# Altium PCB Push-Pull_Inverter.PcbDoc (part 2 of 2)
Units mm, origin at the board's own origin, x right, y up, seen from the top; angles counter-clockwise.
Board outline 400.26 x 240.24 mm, 2 copper layers (Top Layer, Bottom Layer), stack 2.071 mm thick; 224 components, 92 nets, 513 pads, 291 vias.
Unrouted connection lines stored in the file: 106.
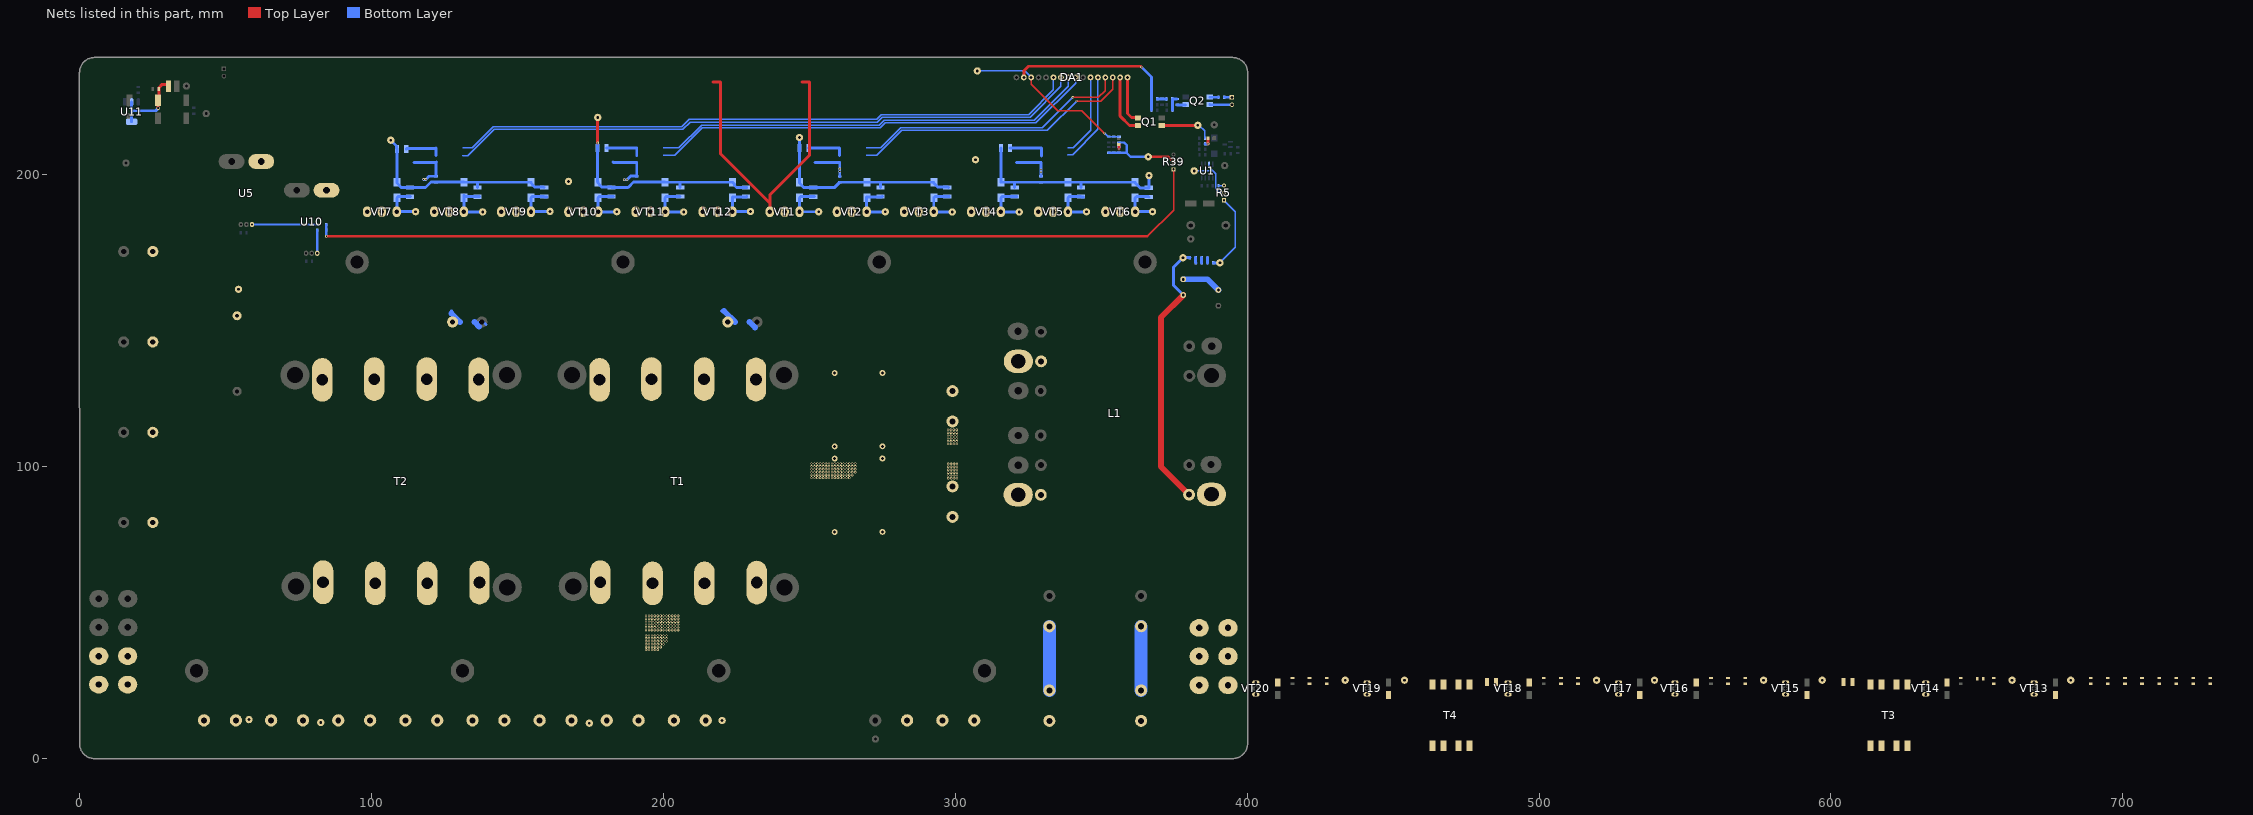
[diagram p2: the nets of this part, all layers, seen from the top]

## Via types
v1: diameter 0.8, hole 0.4, Top Layer to Bottom Layer, 279 vias
v2: diameter 1.27, hole 0.711, Top Layer to Bottom Layer, 12 vias

## Nets (pads, with @x,y where several pads share a name; then routed paths per layer and width w, separated by ;. In a path a pad name is that pad's centre, name@x,y a point inside that pad or via, vN(x,y) a via of type N, cw(c..) or ccw(c..) an arc to the next point about the centre after c; other vN are vias at no path point) (continued)
NetC6_1: C6.1 C7.2 C12.1 C14.2 C16.1 C22.2 J2.1 T1.6 T1.7 T2.6 T2.7
  other v1: 194.025,37.175 195.025,37.175 196.025,37.175 197.025,37.175 198,37.175 194.022,38.097 195.022,38.097 196.022,38.097 197.022,38.097 197.997,38.097 198.997,38.097 194.022,39.097 195.022,39.097 196.022,39.097 197.022,39.097 197.997,39.097 198.997,39.097 199.997,39.097 194.022,40.097 195.022,40.097 196.022,40.097 197.022,40.097 197.997,40.097 198.997,40.097 199.997,40.097 200.997,40.097 194.022,41.097 195.022,41.097 196.022,41.097 197.022,41.097 197.997,41.097 198.997,41.097 199.997,41.097 200.997,41.097 194.022,42.097 195.022,42.097 196.022,42.097 197.022,42.097 197.997,42.097 198.997,42.097 199.997,42.097 200.997,42.097 198,43.9 199,43.9 200,43.9 201,43.9 202,43.9 203,43.9 204,43.9 205,43.9 194,43.925 195,43.925 196,43.925 197,43.925 197.997,44.822 198.997,44.822 199.997,44.822 200.997,44.822 201.997,44.822 202.997,44.822 203.997,44.822 204.997,44.822 193.997,44.847 194.997,44.847 195.997,44.847 196.997,44.847 197.997,45.822 198.997,45.822 199.997,45.822 200.997,45.822 201.997,45.822 202.997,45.822 203.997,45.822 204.997,45.822 193.997,45.847 194.997,45.847 195.997,45.847 196.997,45.847 197.997,46.822 198.997,46.822 199.997,46.822 200.997,46.822 201.997,46.822 202.997,46.822 203.997,46.822 204.997,46.822 193.997,46.847 194.997,46.847 195.997,46.847 196.997,46.847 197.997,47.822 198.997,47.822 199.997,47.822 200.997,47.822 201.997,47.822 202.997,47.822 203.997,47.822 204.997,47.822 193.997,47.847 194.997,47.847 195.997,47.847 196.997,47.847 197.997,48.822 198.997,48.822 199.997,48.822 200.997,48.822 201.997,48.822 202.997,48.822 203.997,48.822 204.997,48.822 193.997,48.847 194.997,48.847 195.997,48.847 196.997,48.847 297.557,95.948 298.557,95.948 299.557,95.948 300.557,95.948 250.703,96.103 251.703,96.103 252.703,96.103 253.703,96.103 254.703,96.103 255.703,96.103 256.703,96.103 257.703,96.103 258.678,96.103 259.678,96.103 260.678,96.103 261.678,96.103 262.678,96.103 263.678,96.103 297.554,96.87 298.554,96.87 299.554,96.87 300.554,96.87 250.7,97.025 251.7,97.025 252.7,97.025 253.7,97.025 254.7,97.025 255.7,97.025 256.7,97.025 257.7,97.025 258.675,97.025 259.675,97.025 260.675,97.025 261.675,97.025 262.675,97.025 263.675,97.025 264.675,97.025 297.554,97.87 298.554,97.87 299.554,97.87 300.554,97.87 250.7,98.025 251.7,98.025 252.7,98.025 253.7,98.025 254.7,98.025 255.7,98.025 256.7,98.025 257.7,98.025 258.675,98.025 259.675,98.025 260.675,98.025 261.675,98.025 262.675,98.025 263.675,98.025 264.675,98.025 265.675,98.025 297.554,98.87 298.554,98.87 299.554,98.87 300.554,98.87 250.7,99.025 251.7,99.025 252.7,99.025 253.7,99.025 254.7,99.025 255.7,99.025 256.7,99.025 257.7,99.025 258.675,99.025 259.675,99.025 260.675,99.025 261.675,99.025 262.675,99.025 263.675,99.025 264.675,99.025 265.675,99.025 297.554,99.87 298.554,99.87 299.554,99.87 300.554,99.87 250.7,100.025 251.7,100.025 252.7,100.025 253.7,100.025 254.7,100.025 255.7,100.025 256.7,100.025 257.7,100.025 258.675,100.025 259.675,100.025 260.675,100.025 261.675,100.025 262.675,100.025 263.675,100.025 264.675,100.025 265.675,100.025 297.554,100.87 298.554,100.87 299.554,100.87 300.554,100.87 250.7,101.025 251.7,101.025 252.7,101.025 253.7,101.025 254.7,101.025 255.7,101.025 256.7,101.025 257.7,101.025 258.675,101.025 259.675,101.025 260.675,101.025 261.675,101.025 262.675,101.025 263.675,101.025 264.675,101.025 265.675,101.025 297.457,107.673 298.457,107.673 299.457,107.673 300.457,107.673 297.454,108.595 298.454,108.595 299.454,108.595 300.454,108.595 297.454,109.595 298.454,109.595 299.454,109.595 300.454,109.595 297.454,110.595 298.454,110.595 299.454,110.595 300.454,110.595 297.454,111.595 298.454,111.595 299.454,111.595 300.454,111.595 297.454,112.595 298.454,112.595 299.454,112.595 300.454,112.595
NetC6_2: C6.2 C7.1 C16.2 L1.8 VD2.1 VD6.1 VD9.1 VD12.1
NetC8_2: C8.2 C10.1 | length 22
  Bottom Layer w4.5: C8.2@332.211,23.246 C10.1@332.211,45.212
NetC9_2: C9.2 C11.1 | length 22
  Bottom Layer w4.5: C9.2@363.618,23.246 C11.1@363.618,45.212
NetC12_2: C12.2 C14.1 C22.1 L1.6 VD4.3 VD7.3 VD11.3 VD13.3
NetC24_2: C24.2 DA1.2 R24.2 R28.2 | length 59.5
  Top Layer w1: DA1.2@323.44,233.3 323.44,235.515 325.05,237.125 363.475,237.125 v1(363.725,236.875)
  Bottom Layer w1: v1(363.725,236.875) 367.18,233.42 R24.2@367.18,225.94 R28.2@367.18,223.94 C24.2@367.18,222.065
NetC25_2: C25.2 R25.1 R26.2 R29.1 | length 5.5
  Bottom Layer w1: R25.1@374.355,225.915 R25.1@374.38,225.915 ; C25.2@374.38,222.04 R29.1@374.38,223.94 R25.1@374.38,225.915 ; R26.2@375.98,225.915 R25.1@374.38,225.915
NetC26_2: C26.2 R24.1 R25.2 | length 3.2
  Bottom Layer w0.5: R25.2@372.33,225.94 R25.2@372.355,225.915
  Bottom Layer w1: R24.1@369.18,225.94 R25.2@372.33,225.94
NetC28_1: C28.1 C29.1 R39.2 R40.1 R41.2 TP33.1 | length 29.1
  Top Layer w0.8: TP33.1@366.075,206.1 373,206.1 R39.2@374.75,204.35
  Bottom Layer w0.8: C28.1@352.536,207.45 R41.2@356.086,207.45 358.688,207.45 ; R40.1@356.086,211 357.825,211 358.688,210.137 358.688,207.45 ; TP33.1@366.075,206.1 360.038,206.1 358.688,207.45
NetC30_2: C30.2 DA1.3 R40.2 R42.2 TP34.1 | length 59.2
  Top Layer w0.5: DA1.3@325.98,233.3 325.98,230.995 327.766,229.209 327.766,229.193 335.009,221.95 343.35,221.95 v1@351.074,214.226
  Bottom Layer w0.5: TP34.1@307.525,235.525 323.755,235.525 DA1.3@325.98,233.3 ; v1(351.1,214.2) 351.192,214.108 351.204,214.108 352.136,213.175 352.311,213 R40.2@356.086,213
NetC31_1: C31.1 C35.2 L2.1 U11.2 | length 27.5
  Top Layer w1: v2(26.85,222.75) 26.838,222.763 26.838,225.463 C31.1@26.825,225.475 27.075,225.725 27.075,229.775 28.225,230.925 29.978,230.925 30.378,230.525 L2.1@30.378,230.325
  Bottom Layer w1: U11.2@17.75,218.105 17.75,221.875 ; U11.2@17.75,224.895 17.75,221.875 ; v2(26.85,222.75) 25.975,221.875 17.75,221.875
NetD1_1: D1.1 R6.2 | length 2.9
  Top Layer w0.5: D1.1@386.575,212.425 D1.1@386.6,212.4
  Top Layer w1: v1(386.6,210.55) D1.1@386.6,212.4
  Bottom Layer w0.5: R6.2@385.575,210.525 R6.2@385.588,210.537 ; v1@386.587,210.537 v1(386.6,210.55)
  Bottom Layer w1: R6.2@385.588,210.537 v1@386.587,210.537
NetD2_1: D2.1 D3.1 D5.1 R9.2 R11.2 R14.2 R17.2 TP13.1 | length 70.9
  Bottom Layer w1: TP13.1@246.55,212.725 R17.2@246.549,209.15 246.549,204.198 246.572,204.175 246.572,197.409 D5.1@246.6,197.381 246.6,197.081 248.155,195.526 258.525,195.526 260.375,197.375 ; 260.375,197.381 D3.1@269.65,197.381 274.35,197.381 ; R11.2@274.35,195.551 274.35,197.381 ; R9.2@297.7,195.551 297.498,195.753 293.928,195.753 292.6,197.081 D2.1@292.6,197.381 274.35,197.381
NetD2_2: D2.2 R9.1 R34.2 TP8.1 VT3.1 | length 16.6
  Bottom Layer w1: D2.2@292.58,192.047 VT3.1@292.58,187.254 292.634,187.2 TP8.1@298.925,187.2 ; D2.2@292.6,192.047 293.002,192.449 R9.1@297.901,192.449
NetD3_2: D3.2 R11.1 R20.2 TP11.1 VT2.1 | length 17
  Bottom Layer w1: R11.1@275.051,192.449 274.8,192.449 274.669,192.318 269.58,192.318 VT2.1@269.58,187.254 TP11.1@276.004,187.254
NetD4_1: D4.1 D6.1 D7.1 R12.2 R15.2 R19.2 R21.2 TP17.1 | length 71.7
  Bottom Layer w1: R21.2@315.574,209.1 315.597,209.077 315.597,204.2 315.597,197.409 D7.1@315.625,197.381 320.325,197.381 ; R19.2@320.325,195.576 320.325,197.381 ; 323.925,197.376 323.92,197.381 ; R15.2@343.05,195.626 343.05,197.381 ; TP17.1@366.275,200.225 R12.2@366.275,195.476 363.23,195.476 361.625,197.081 D4.1@361.625,197.381 343.05,197.381 ; 320.325,197.381 323.92,197.381 ; 323.92,197.381 329.325,197.381 D6.1@338.625,197.381 343.05,197.381
NetD4_2: D4.2 R12.1 R44.2 TP12.1 VT6.1 | length 15.4
  Bottom Layer w1: D4.2@361.58,192.047 VT6.1@361.58,187.254 361.626,187.3 TP12.1@367.575,187.3 ; D4.2@361.625,192.047 362.027,192.449 R12.1@366.075,192.449
NetD5_2: D5.2 R14.1 R16.2 TP14.1 VT1.1 | length 16.6
  Bottom Layer w1: D5.2@246.58,192.047 VT1.1@246.58,187.254 246.601,187.275 TP14.1@253.15,187.275 ; D5.2@246.6,192.047 247.002,192.449 R14.1@251.675,192.449
NetD6_2: D6.2 R15.1 R43.2 TP15.1 VT5.1 | length 16.9
  Bottom Layer w1: D6.2@338.58,192.047 VT5.1@338.58,187.254 TP15.1@344.946,187.254 TP15.1@345.075,187.125 ; D6.2@338.625,192.047 339.027,192.449 R15.1@343.05,192.449 ; R15.1@343.05,192.524 343.252,192.322 R15.1@343.953,192.322
NetD7_2: D7.2 R19.1 R37.2 TP18.1 VT4.1 | length 16.4
  Bottom Layer w0.5: VT4.1@315.58,187.254 VT4.1@315.634,187.2
  Bottom Layer w1: VT4.1@315.58,187.254 D7.2@315.58,192.047 ; D7.2@315.625,192.047 316.027,192.449 R19.1@320.05,192.449 ; VT4.1@315.634,187.2 TP18.1@321.875,187.2 ; R19.1@320.325,192.474 R19.1@321.026,192.474
NetD8_1: D8.1 D15.1 R39.1 | length 312
  Top Layer w0.5: 365.775,178.875 374.75,187.85 R39.1@374.75,201.81
  Top Layer w0.8: v1(84.475,178.875) 365.775,178.875
  Bottom Layer w0.8: v1(84.475,178.875) D15.1@84.475,181 D8.1@84.475,182.9
NetD8_2: D8.2 U5.3 | length 22.3
  Bottom Layer w0.8: U5.3@58.98,182.896 D8.2@81.325,182.896
NetD9_1: D9.1 D10.1 D12.1 R27.2 R30.2 R32.2 R35.2 TP27.1 | length 69.9
  Bottom Layer w1: TP27.1@106.55,211.8 108.522,209.828 108.522,208.977 R35.2@108.724,208.775 ; R35.2@108.65,208.632 108.65,204.225 108.65,197.081 110.205,195.526 R32.2@113.1,195.526 ; R32.2@113.25,195.551 118.476,195.551 120.35,197.425 D10.1@131.656,197.425 ; D10.1@131.7,197.381 136.25,197.381 ; R30.2@136.25,195.526 136.25,197.381 ; R27.2@159.1,195.576 158.898,195.778 155.878,195.778 155.275,196.381 154.575,197.081 D9.1@154.575,197.381 136.25,197.381
NetD9_2: D9.2 R27.1 R46.2 TP24.1 VT9.1 | length 17
  Bottom Layer w1: R27.1@159.1,192.449 154.982,192.449 154.58,192.047 VT9.1@154.58,187.254 154.726,187.4 TP24.1@161.075,187.4 ; R27.1@159.1,192.474 159.302,192.272 R27.1@160.003,192.272
NetD10_2: D10.2 R30.1 R47.2 TP25.1 VT8.1 | length 17.8
  Bottom Layer w1: R30.1@136.25,192.424 R30.1@136.951,192.424 ; R30.1@136.25,192.449 132.108,192.449 131.58,192.977 VT8.1@131.58,187.254 131.609,187.225 TP25.1@138.025,187.225
NetD11_1: D11.1 D13.1 D14.1 R31.2 R33.2 R36.2 R38.2 TP30.1 | length 78.2
  Top Layer w1: TP30.1@177.275,219.675 TP30.1@177.4,219.55 ; v1(177.4,210.875) TP30.1@177.4,219.95
  Bottom Layer w1: R38.2@177.374,209.1 177.374,204.273 177.397,204.25 177.397,197.484 D14.1@177.5,197.381 177.5,197.081 178.2,196.381 178.208,196.381 178.786,195.803 181.923,195.803 R36.2@182.125,195.601 187.876,195.601 189.725,197.45 D13.1@200.456,197.45 ; R38.2@177.4,209.101 v1(177.4,210.875) ; D13.1@200.525,197.381 205.7,197.381 ; R33.2@205.7,195.551 205.7,197.381 ; R31.2@228.5,195.551 225.049,195.551 224.325,196.275 224.325,196.681 D11.1@223.625,197.381 205.7,197.381
NetD11_2: D11.2 R31.1 R49.2 TP26.1 VT12.1 | length 16.3
  Bottom Layer w0.5: VT12.1@223.58,187.254 VT12.1@223.676,187.35
  Bottom Layer w1: VT12.1@223.58,187.254 223.58,192.367 228.418,192.367 R31.1@228.5,192.449 ; VT12.1@223.676,187.35 TP26.1@229.775,187.35
NetD12_2: D12.2 R32.1 R45.2 TP28.1 VT7.1 | length 16
  Bottom Layer w1: VT7.1@108.58,187.254 VT7.1@108.626,187.3 ; R32.1@113.25,192.449 109.052,192.449 D12.2@108.65,192.047 108.65,187.324 VT7.1@108.626,187.3 ; TP28.1@115.05,187.3 VT7.1@108.626,187.3
NetD13_2: D13.2 R33.1 R50.2 TP29.1 VT11.1 | length 16.4
  Bottom Layer w0.5: VT11.1@200.58,187.254 VT11.1@200.634,187.2
  Bottom Layer w1: VT11.1@200.525,187.309 D13.2@200.525,192.047 200.927,192.449 R33.1@205.7,192.449 ; VT11.1@200.634,187.2 TP29.1@206.9,187.2
NetD14_2: D14.2 R36.1 R48.2 TP31.1 VT10.1 | length 16.8
  Bottom Layer w1: D14.2@177.5,192.047 177.902,192.449 R36.1@182.125,192.449 ; D14.2@177.58,192.047 VT10.1@177.58,187.254 183.954,187.254 TP31.1@184.05,187.35 ; R36.1@182.125,192.499 R36.1@182.826,192.499
NetD15_2: D15.2 U10.3 | length 8
  Bottom Layer w0.5: D15.2@81.325,181 D15.2@81.33,180.995
  Bottom Layer w0.8: U10.3@81.33,173.046 D15.2@81.33,180.995
NetD16_1: D16.1 R41.1 | length 2.3
  Top Layer w1: v1(356.061,208.775) D16.1@356.061,210.35
  Bottom Layer w0.5: v1(356.061,208.775) 356.073,208.787 356.073,209.438 R41.1@356.086,209.45
NetD17_1: D17.1 D18.2 R52.2 R54.2 TP38.1 VT13.1 VT14.1
NetD19_1: D19.1 D20.2 R56.2 T3.4 TP40.1 VT15.1 VT16.1
NetD21_1: D21.1 D22.2 R59.2 R61.2 TP42.1 VT17.1 VT18.1
NetD23_1: D23.1 D24.2 R63.2 T4.4 TP44.1 VT19.1 VT20.1
NetDA1_6: DA1.6 | length 214.9
  Bottom Layer w0.5: 131.197,209.143 134.468,209.143 141.704,216.379 206.304,216.379 208.804,218.879 273.029,218.879 274.629,220.479 325.079,220.479 333.6,229 DA1.6@333.6,233.3
NetDA1_7: DA1.7 R58.1 R60.2 | length 217.9
  Bottom Layer w0.5: 131.197,206.603 131.275,206.525 132.9,206.525 134.764,208.389 134.78,208.389 141.941,215.55 206.641,215.55 209.091,218 273.3,218 275.025,219.725 325.675,219.725 336.14,230.19 DA1.7@336.14,233.3
NetDA1_8: DA1.8 | length 150.5
  Bottom Layer w0.5: 199.972,209.143 205.268,209.143 213.029,216.904 273.979,216.904 275.629,218.554 326.979,218.554 338.68,230.255 DA1.8@338.68,233.3
NetDA1_9: DA1.9 R62.1 R64.2 | length 153.4
  Bottom Layer w0.5: 199.972,206.603 203.778,206.603 205.564,208.389 205.58,208.389 213.241,216.05 274.291,216.05 275.966,217.725 327.575,217.725 341.22,231.37 DA1.9@341.22,233.3
NetDA1_11: DA1.11 | length 28.4
  Bottom Layer w0.5: 338.497,209.243 340.343,209.243 346.3,215.2 DA1.11@346.3,233.3
NetDA1_12: DA1.12 R51.1 R53.2 | length 31.8
  Bottom Layer w0.5: 338.497,206.703 338.573,206.779 340.154,206.779 348.84,215.465 DA1.12@348.84,233.3
NetDA1_13: DA1.13 | length 94.6
  Top Layer w0.5: v1(340.25,226.45) 349.025,226.45 351.38,228.805 DA1.13@351.38,233.3
  Bottom Layer w0.5: 269.447,209.143 274.493,209.143 281.35,216 329.8,216 v1(340.25,226.45)
NetDA1_14: DA1.14 R55.1 R57.2 | length 97.9
  Top Layer w0.5: v1(341.525,225.2) 349.85,225.2 353.92,229.27 DA1.14@353.92,233.3
  Bottom Layer w0.5: 269.447,206.603 273.053,206.603 281.675,215.225 331.55,215.225 v1(341.525,225.2)
NetDA1_15: DA1.15 Q1.4 | length 20.7
  Top Layer w1: DA1.15@356.46,233.3 356.46,220.015 359.65,216.825 362.545,216.825 Q1.4@362.575,216.855
NetDA1_16: DA1.16 Q1.3 | length 16.6
  Top Layer w1: DA1.16@359,233.3 359,220.95 360.375,219.575 362.395,219.575 Q1.3@362.575,219.395
NetJ1_1: J1.1 VD3.1
NetJ3_1: J3.1 VD5.3
NetP1_1: P1.1 R23.1 | length 2.6
  Bottom Layer w1: R23.1@392.13,226.515 394.7,226.515 P1.1@394.755,226.46
NetP1_2: P1.2 Q2.2 | length 7.6
  Bottom Layer w1: Q2.2@387.155,223.97 387.205,223.92 P1.2@394.755,223.92
NetQ1_1: Q1.1 R3.1 TP4.1 | length 17.4
  Top Layer w1: Q1.1@370.775,216.855 TP4.1@383.035,216.855
  Bottom Layer w0.5: TP4.1@383.6,216.8 385.4,215 385.4,212.575 R3.1@385.55,212.425
NetQ2_1: Q2.1 R23.2 | length 3
  Bottom Layer w1: Q2.1@387.155,226.51 390.125,226.51 R23.2@390.13,226.515
NetQ2_3: Q2.3 R26.1 | length 3
  Bottom Layer w0.5: Q2.3@378.9,223.915 Q2.3@378.955,223.97
  Bottom Layer w1: R26.1@375.98,223.915 Q2.3@378.9,223.915
NetR1_1: R1.1 R4.2 | length 13.5
  Bottom Layer w2: R1.1@378.075,164.125 386.425,164.125 R4.2@390.1,160.45
NetR5_1: R5.1 R22.1 TP2.1 | length 27.5
  Bottom Layer w0.5: TP2.1@390.6,169.75 TP2.1@390.625,169.775 395.925,175.075 395.925,187.295 R5.1@392.025,191.195
  Bottom Layer w1: R22.1@388.375,169.75 TP2.1@390.6,169.75
NetR5_2: R5.2 TP3.1 U1.3 | length 19.1
  Bottom Layer w0.5: TP3.1@381.825,201.275 388.175,201.275 ; U1.3@386.91,203.591 386.918,203.583 386.918,202.532 388.175,201.275 ; R5.2@392.035,193.725 R5.2@392.025,193.735 390.665,193.735 389.15,195.25 389.15,200.3 388.175,201.275
NetR5_3: R5.3 R8.1 | length 2
  Bottom Layer w0.5: R8.1@390,196.225 391.975,196.225 R5.3@392.025,196.275
NetR10_1: R10.1 R13.2 | length 1.8
  Bottom Layer w1: R10.1@382.325,171.55 382.325,169.85 R13.2@382.4,169.775
NetR13_1: R13.1 R18.2 | length 1.8
  Bottom Layer w1: R18.2@384.375,171.55 384.375,169.8 R13.1@384.4,169.775
NetR16_1: R16.1 R20.1 R34.1 R37.1 R43.1 R44.1 T3.6 T3.7 TP22.1 U5.4 VT1.3 VT2.3 VT3.3 VT4.3 VT5.3 VT6.3 | length 165
  Top Layer w1: 217,231.706 219.54,231.706 219.54,207.11 236.42,190.23 ; VT1.3@236.42,187.254 236.42,190.23 ; 247.48,231.706 250.02,231.706 250.02,206.62 236.42,193.02 236.42,190.23
  Bottom Layer w0.5: 122.05,204.187 122.053,204.19
  Bottom Layer w1: 114.425,204.19 122.053,204.19 122.15,204.287 ; v1(117.725,198.35) v1(118.575,198.35) 119.65,199.425 R34.1@122.05,199.425 122.05,204.187 ; 182.731,204.25 182.791,204.19 190.828,204.19 190.828,199.478 R37.1@190.8,199.45 188.725,199.45 v1(187.5,198.225) v1(186.55,198.225) ; 251.906,204.175 251.921,204.19 260.303,204.19 260.375,204.118 R16.1@260.375,199.375 ; 320.931,204.2 329.263,204.2 329.325,204.138 R20.1@329.325,199.4
  other v1: 329.331,200.816 260.375,201.041 329.331,201.727 260.375,201.952
NetR17_1: R17.1 T3.8 | length 13.2
  Bottom Layer w1: R17.1@249.658,209.143 260.303,209.143 260.303,206.603
NetR18_1: R18.1 R22.2 | length 1.8
  Bottom Layer w1: R22.2@386.375,169.75 R18.1@386.375,171.55
NetR21_1: R21.1 T3.5 | length 13.6
  Bottom Layer w1: R21.1@318.676,209.1 318.719,209.143 329.516,209.143 329.516,206.441
NetR35_1: R35.1 T4.8 | length 12.9
  Bottom Layer w1: R35.1@111.826,208.775 112.001,208.95 121.86,208.95 122.053,209.143 122.053,206.603
NetR38_1: R38.1 T4.5 | length 12.9
  Bottom Layer w1: R38.1@180.476,209.1 190.785,209.1 190.828,209.143 190.828,206.603
NetR45_1: R45.1 R46.1 R47.1 R48.1 R49.1 R50.1 T4.6 T4.7 TP32.1 U10.4 VT7.3 VT8.3 VT9.3 VT10.3 VT11.3 VT12.3
NetR51_2: R51.2 R52.1 TP37.1 VT13.3 VT14.3
NetR54_1: R54.1 T3.1
NetR55_2: R55.2 R56.1 TP39.1 VT15.3 VT16.3
NetR58_2: R58.2 R59.1 TP41.1 VT17.3 VT18.3
NetR61_1: R61.1 T4.1
NetR62_2: R62.2 R63.1 TP43.1 VT19.3 VT20.3
NetT1_1: T1.1 VT4.2 VT5.2 VT6.2 | length 3.1
  Bottom Layer w1: 231.325,147.2 231.325,147.65
  Bottom Layer w2: 229.475,149.5 231.325,147.65
NetT1_4: T1.4 VT1.2 VT2.2 VT3.2
NetT1_5: T1.5 TP10.1 VD2.3 VD4.1
NetT1_8: T1.8 TP16.1 VD6.3 VD7.1
NetT2_1: T2.1 VT10.2 VT11.2 VT12.2 | length 3.8
  Bottom Layer w1: 136.8,147.65 136.8,147.9 ; 136.875,149.5 137.075,149.3 ; 138.4,149.325 139.125,148.6
  Bottom Layer w2: 135.2,149.5 136.8,147.9
NetT2_4: T2.4 VT7.2 VT8.2 VT9.2 | length 5.7
  Bottom Layer w1: 127.275,149.775 127.725,149.325 ; 127.35,152.4 127.35,153.35
  Bottom Layer w2: 127.35,152.4 130.25,149.5
NetT2_5: T2.5 TP19.1 VD9.3 VD11.1
NetT2_8: T2.8 TP23.1 VD12.3 VD13.1
NetT3_2: T3.2 T3.3
NetT4_2: T4.2 T4.3
V_BAT: C13.1 C15.1 C17.1 C18.1 C19.1 C20.1 C21.2 J4.1 J5.1 T1.2 T1.3 T2.2 T2.3 TP20.1 | length 6.3
  Bottom Layer w1: 219.8,153.275 220.75,153.275
  Bottom Layer w2: 220.75,153.275 224.525,149.5
"VCC +540": C8.1 C9.1 L1.4 R1.2 R10.2 TP9.1 VD3.3 | length 93.5
  Top Layer w2: R1.2@378.075,158.725 378.075,158.675 370.4,151 370.4,99.99 L1.4@380.074,90.315
  Bottom Layer w1: R1.2@378.075,158.725 374.675,162.125 374.675,168.15 TP9.1@378.025,171.5 378.05,171.525 380.3,171.525 R10.2@380.325,171.55
pads on no net: L1.1 L1.3 L1.5 L1.7 L1.9 L1.10 Radiator_1.1 Radiator_2.1 T1.9 T1.10 T1.11 T1.12 T2.9 T2.10 T2.11 T2.12 U1.5 U1.6 U1.7
copper on no net: | length 324.2
  Top Layer w1: v2(102.525,212.175) 102.525,214.475 106.035,217.985 106.035,227 ; 106.035,231.706 106.035,227 ; 136.515,231.706 133.975,231.706 133.975,228.9 132.075,227 106.035,227 ; 139.055,231.706 141.595,231.706 141.595,216.88 v2(145.95,212.525) ; 255.1,231.706 285.144,231.706 v2(304.95,211.9) ; v2(260.325,213.9) v2(260.325,221.45)
  Bottom Layer w1: 98.415,231.706 100.955,231.706 100.955,229.97 119.115,211.81 122.053,211.81 ; v2(102.525,197.925) v2(102.525,212.175) ; 103.495,231.706 106.035,231.706 ; v2@145.996,212.525 189.542,212.525 189.995,212.072 190.566,212.072 190.828,211.81 ; 211.92,231.706 214.46,231.706 214.46,225.815 218.825,221.45 v2(260.325,221.45) ; 252.56,231.706 255.1,231.706 ; 260.303,211.81 260.325,211.832 v2(260.325,213.9) ; v2(304.95,211.9) 304.96,211.91 329.353,211.91

## Polygon pours and split planes (outlines as drawn)
NetT1_1 on Bottom Layer "NONET_L-01_P-001" (solid, pour order 3): 225.975,122.35 225.975,144.762 238.113,156.9 273.65,156.9 299.796,183.046 307.571,183.046 309.05,184.525 309.05,187.425 311.95,187.425 311.95,184.525 313.429,183.046 330.571,183.046 332.05,184.525 332.05,187.425 334.95,187.425 334.95,184.525 336.429,183.046 353.571,183.046 355.05,184.525 355.05,187.425 357.95,187.425 357.95,180.15 333.4,155.6 314.55,155.6 298.725,139.775 241.05,139.775 235.17,133.895 235.17,122.389
NetT1_4 on Bottom Layer "NONET_L-01_P-001" (solid, pour order 2): 174.576,122.171 174.576,142.251 189.225,156.9 202.368,156.9 228.438,182.97 238.713,182.97 240.192,184.449 240.192,187.349 243.092,187.349 243.092,184.449 244.571,182.97 261.713,182.97 263.192,184.449 263.192,187.349 266.092,187.349 266.092,184.449 267.571,182.97 284.713,182.97 286.192,184.449 286.192,187.349 289.092,187.349 289.092,177.274 272.567,160.749 234.399,160.749 215.6,141.95 193.535,141.95 184.625,133.04 184.625,122.171
NetT2_1 on Bottom Layer "NONET_L-01_P-001" (solid, pour order 1): 129.75,122.313 129.75,143.05 171.05,184.35 171.05,187.25 173.95,187.25 173.95,184.35 175.429,182.871 192.571,182.871 194.05,184.35 194.05,187.25 196.95,187.25 196.95,184.35 198.429,182.871 215.571,182.871 217.05,184.35 217.05,187.25 219.95,187.25 219.95,179.697 200.771,160.425 184.55,160.425 164.625,140.5 145.607,140.5 140.17,135.063 140.17,122.313
NetT2_4 on Bottom Layer "NONET_L-01_P-001" (solid, pour order 0): 79.612,122.157 79.612,145.212 102.05,167.65 102.05,187.254 104.95,187.254 105,187.204 105,184.304 106.429,182.875 123.571,182.875 125.05,184.354 125.05,187.254 127.95,187.254 127.95,184.354 129.429,182.875 146.571,182.875 148.05,184.354 148.05,187.254 150.95,187.254 150.95,171.175 121.05,141.275 98.425,141.275 88.825,131.675 88.825,122.195
GND_II on Bottom Layer "NONET_L-01_P-001" (solid, pour order 32): 389.092,178.774 379.467,188.399 379.467,198.724 379.467,219.875 400.044,219.875 400.044,178.774
GND_I on Bottom Layer "NONET_L-01_P-001" (solid, pour order 4): 17.159,41.275 0.725,41.275 0.725,196.15 13.4,208.825 53.375,208.75 56.425,205.7 56.425,199.975 57.375,199.025 78.701,198.925 78.776,188.6 29.7,188.6 19.9,178.7 19.9,177.775 19.705,43.496
NetT2_5 on Bottom Layer "NONET_L-01_P-001" (solid, pour order 9): 74.275,10.9 74.275,48.7 79.83,54.255 79.83,67.758 88.575,67.758 88.575,52.55 90.639,50.486 90.639,10.9
NetT1_8 on Bottom Layer "NONET_L-01_P-001" (solid, pour order 26): 235.424,67.7 235.424,26.049 220.275,10.9 213.325,10.9 206.761,17.464 143.889,17.464 137.325,10.9 133.704,10.9 132.4,12.204 132.4,20.75 145.5,33.85 202.555,33.85 224.406,55.701 224.406,67.7
NetC6_1 on Bottom Layer "NONET_L-01_P-001" (solid, pour order 28): 249.825,104.525 249.825,95.7 266.5,95.7 269,98.2 289.575,98.2 292.775,95 298.45,89.325 301,89.325 302.775,91.1 302.775,114.65 299.967,117.458 298.058,117.458 293.7,113.1 258.4,113.1
NetC6_2 on Bottom Layer "NONET_L-01_P-001" (solid, pour order 21): 157.5,0.8 157.5,15.137 156.287,15.137 148.95,7.8 73.775,7.8 66.438,15.137 64.537,15.137 57.2,7.8 50.775,7.8 43.1,15.475 40.371,15.475 40.371,0.8
NetC6_1 on Bottom Layer "NONET_L-01_P-001" (solid, pour order 23): 192.737,67.4 192.737,59.887 182.625,49.775 133.1,49.775 122.486,60.389 122.3,67.4 97.775,67.4 97.775,54.425 115.843,36.357 199.332,36.357 217.475,54.5 217.475,67.4
NetC6_2 on Bottom Layer "NONET_L-01_P-001" (solid, pour order 22): 203.6,0.8 203.6,15.475 202.75,15.475 194.9,7.625 165.925,7.625 158.413,15.137 156.419,15.137 156.376,0.8
NetC6_2 on Bottom Layer "NONET_L-01_P-001" (solid, pour order 20): 278.2,71.25 313.5,71.25 331.35,89.1 331.35,91.225 328.234,94.341 313.616,94.341 304.35,85.075 264.25,85.075 253.625,74.45 253.625,39.625 222.075,8.075 211.483,8.075 204.299,15.531 202.75,15.475 202.75,0.825 236.876,0.825 269.975,33.924 269.975,63.025
"VCC +540" on Bottom Layer "NONET_L-01_P-001" (solid, pour order 19): 392.775,94.366 378.941,94.366 368.95,84.375 368.95,23.1 364.488,18.638 306.238,18.638 302.85,15.25 302.85,11.925 305.7,9.075 368.9,9.075 377.938,18.113 377.938,57.013 392.775,71.85
GND_II on Bottom Layer "NONET_L-01_P-001" (solid, pour order 17): 365.925,52.65 365.925,102.484 383.016,119.575 393.042,129.601 392.925,135.075 369.6,135.075 347.05,112.525 347.05,81.775 331.425,66.15 309.625,66.15 270.25,26.775 270.25,11.975 271.48,10.745 274.186,10.745 316.091,52.65
NetJ1_1 on Bottom Layer "NONET_L-01_P-001" (solid, pour order 12): 396.95,28.375 382.327,28.375 380.252,26.3 380.252,16.802 370.95,7.5 304.425,7.5 296.851,15.074 294.763,15.074 293.425,13.736 293.425,3.8 296.35,0.875 382.575,0.875 396.95,15.25
V_BAT on Top Layer "NONET_L-01_P-001" (solid, pour order 6): 217.39,122.419 217.39,144.46 199.725,162.125 57.672,162.125 44.055,175.742 31.075,175.763 31.075,140.25 31.075,125.025 37.465,125.025 52.69,140.25 87.2,140.25 97.356,130.094 97.356,122.441 122.39,122.441 122.39,129.74 132.9,140.25 184.275,140.25 192.356,132.169 192.356,122.463
GND_II on Top Layer "NONET_L-01_P-001" (solid, pour order 31): 389.175,178.6 379.55,188.225 379.55,198.55 379.55,219.925 400.127,219.925 400.127,178.6
GND_I on Top Layer "NONET_L-01_P-001" (solid, pour order 30): 16.916,41.245 0.923,41.245 0.923,179.574 19.923,179.574 19.923,56.699 19.923,44.252
NetT1_5 on Top Layer "NONET_L-01_P-001" (solid, pour order 10): 166.35,10.675 166.35,45.875 174.83,54.355 174.83,67.786 182.725,67.786 182.725,10.675
NetT2_8 on Top Layer "NONET_L-01_P-001" (solid, pour order 25): 140.424,67.65 140.424,48.474 123.45,31.5 123.45,21.925 112.438,10.913 109.537,10.913 102.7,17.75 64.325,17.75 57.488,10.913 52.587,10.913 51.35,12.15 51.35,22.975 75.775,47.4 109.55,47.4 122.275,47.4 129.425,54.55 129.425,67.65
NetR16_1 on Top Layer "NONET_L-01_P-001" (solid, pour order 14): 352.042,185.425 352.873,186.256 352.873,201.352 345.475,208.75 60.775,208.75 57.71,205.685 57.71,200.525 211.175,200.525 220.775,190.925 231.296,190.925 234.968,187.254 237.873,187.254 237.873,189.759 239.039,190.925 257.196,190.925 257.968,190.154 257.968,187.254 260.868,187.254 260.844,187.277 260.844,190.131 261.639,190.925 280.176,190.925 280.968,190.134 280.968,187.254 283.848,187.254 283.848,190.134 284.639,190.925 303.196,190.925 303.968,190.154 303.968,187.254 306.868,187.254 306.868,190.154 307.639,190.925 326.176,190.925 326.968,190.134 326.968,187.254 329.847,187.254 329.847,190.134 330.639,190.925 345.15,190.925 350.65,185.425
NetR45_1 on Top Layer "NONET_L-01_P-001" (solid, pour order 13): 213.992,185.375 214.875,186.258 214.875,193.875 209.725,199.025 80.06,199.025 80.06,188.5 95.724,188.5 96.97,187.254 99.875,187.254 99.875,189.759 101.041,190.925 119.199,190.925 119.97,190.154 119.97,187.254 122.87,187.254 122.847,187.277 122.847,190.131 123.641,190.925 142.179,190.925 142.97,190.134 142.97,187.254 145.85,187.254 145.85,190.134 146.641,190.925 165.199,190.925 165.97,190.154 165.97,187.254 168.87,187.254 168.87,190.154 169.641,190.925 188.179,190.925 188.97,190.134 188.97,187.254 191.85,187.254 191.85,190.134 192.641,190.925 206.925,190.925 212.475,185.375
NetC6_1 on Top Layer "NONET_L-01_P-001" (solid, pour order 29): 192.737,67.5 192.737,36.35 259.15,36.35 269.8,47 269.8,99.025 272.075,101.3 276.2,101.3 276.2,108.425 256.825,108.425 249.85,101.45 249.85,53.45 246.5,50.1 227.375,50.1 217.517,59.958 217.517,67.5
NetC12_2 on Top Layer "NONET_L-01_P-001" (solid, pour order 24): 103.519,0.831 95.583,8.767 95.575,15.169 100.881,15.169 107.1,8.95 115.225,8.95 121.444,15.169 123.631,15.169 129.85,8.95 138.35,8.95 144.569,15.169 146.356,15.169 152.575,8.95 184.287,8.95 190.506,15.169 192.406,15.169 198.625,8.95 236.125,8.95 280.05,52.875 280.05,113 271.8,121.25 257.25,121.25 251.395,127.105 251.406,140.781 256.875,146.25 287.05,146.25 295.567,137.733 305.583,137.733 309.925,142.075 327.025,142.075 331.367,137.733 331.367,133.467 327.85,129.95 318.5,129.95 310.925,122.375 290.225,122.375 278.4,134.2 263.25,134.2 263.25,133.6 277.954,133.6 291.075,120.479 291.075,40.3 251.606,0.831
NetJ3_1 on Top Layer "NONET_L-01_P-001" (solid, pour order 15): 281.361,12.393 281.361,18.861 287.2,24.7 312.3,24.7 328.05,40.45 373.325,40.45 375.1,38.675 396.731,38.675 396.731,31.075 377.175,31.075 373.725,27.625 330.375,27.625 319.3,16.55 291.5,16.55 285.85,10.9 282.346,10.9
NetC6_1 on Top Layer "NONET_L-01_P-001" (solid, pour order 18): 396.625,41.571 396.625,44.594 396.625,66 381,81.625 319.925,81.625 313.85,87.7 313.85,103.5 299.925,117.425 298.075,117.425 295.6,114.95 295.6,92.225 303.65,84.175 303.65,71.6 313.075,62.175 364.925,62.175 380.234,46.866 380.234,41.571
GND_I on Top Layer "NONET_L-01_P-001" (solid, pour order 16): 78.75,188.5 78.75,199.025 57.375,199.025 56.44,199.96 56.44,205.685 53.375,208.75 13.4,208.75 0.725,196.075 0.725,172.15 19.725,172.15 19.725,178.5 29.75,188.525
V_BAT on Top Layer "NONET_L-01_P-001" (solid, pour order 5): 16.366,22.25 2.075,22.25 2.075,38 17.45,38 23.075,43.625 23.075,175.752 40.248,175.752 47.85,168.15 47.85,49.625 20.475,22.25

## Keep-outs
Keep-Out Layer:
  circle w0.254: c5,235 r1.5
  circle w0.254: c5,5 r1.5
  circle w0.254: c395,5 r1.5
  circle w0.254: c395,235 r1.5
  lines w0.254: 0,5 ccw(c5,5) 5,0 395,0 ccw(c395,5) 400,5 400,235.167 ; 0,5.022 0,235 cw(c5,235) 5,240 395,240 cw(c395,235) 400,235

## Other copper
Top Layer:
  pour cut-out: 256.638,78.511 256.637,76.55 257.688,75.5 259.613,75.5 260.662,76.55 260.662,78.525 259.637,79.55 257.676,79.55
  pour cut-out: 128.687,150.55 128.687,148.35 129.262,147.775 136.287,147.775 136.862,148.35 136.862,150.65 136.312,151.2 129.337,151.2
Bottom Layer:
  pour cut-out: 213.575,32.625 213.575,27.6 216.7,24.475 221.35,24.475 224.45,27.575 224.45,32.5 221.5,35.45 216.4,35.45

## Silkscreen, mask and mechanical layers (free items; w line width, h text height)
Top Overlay:
  circle w1.5: c5,235 r2.5
  circle w1.5: c5,5 r2.5
  circle w1.5: c395,5 r2.5
  circle w1.5: c395,235 r2.5
  text "12V" at 52.929,235.579 h1
  text "GND" at 52.904,233.404 h1
  text "IS" at 379.346,202.854 h1.52 r90
  text "V_FB" at 397.092,190.604 h1.52 r90
  text "NEUTRAL" at 386.229,57.329 h1.5
  text "GND" at 386.204,54.629 h1.5
  text "VCC" at 386.229,52.029 h1.5
  text "GND" at 3.704,17.829 h1.5
  text "GND" at 3.704,15.824 h1.5
  text "VCC" at 3.704,13.224 h1.5
  text "VCC" at 3.704,11.154 h1.5
Top Solder:
  lines w4: 5.6,55.584 6.475,56.459 6.475,189.425 21.3,204.25 52.525,204.25 ; 8.925,29.975 18.65,29.975 35.925,47.25 35.925,139.425 47.975,151.475 111.275,151.475 114.45,154.65 190.3,154.65 201.9,143.05 ; 11.4,49.8 11.4,183.4 22.5,194.5 74.8,194.5 ; 56.65,17.85 63.55,24.75 107.05,24.75 137.3,55 137.3,59.65 ; 62.155,204.486 223.914,204.486 233.125,195.275 345.9,195.275 348.5,192.675 ; 84.505,194.636 208.239,194.636 210.375,192.5 ; 102.287,8.313 105.825,4.775 244.375,4.775 285.425,45.825 285.425,117.3 275.575,127.15 263.498,127.15 258.65,131.998 258.65,136.575 261.9,139.825 279.6,139.825 293.675,125.75 304.4,125.75 314.325,135.675 322.55,135.675 322.625,135.75 ; 172.45,17.65 178.325,23.525 178.325,58.9 ; 201.9,45.85 255.025,45.85 263.65,54.475 263.65,88 258.225,93.425 ; 283.275,12.825 283.35,12.825 290.775,20.25 316.3,20.25 330.9,34.85 392.665,34.85 393.015,34.5 ; 299.01,115.408 299.01,93.14 309.325,82.824 309.325,79.025 316.7,71.65 369.95,71.65 383.15,58.45 383.15,44.675
Bottom Solder:
  lines w4: 42.539,13 42.539,9.036 47.525,4.05 230.625,4.05 262,35.425 262,69.475 275.225,82.7 313.875,82.7 321.325,90.15 ; 83.225,15.225 83.225,57.775 ; 83.9,128.375 83.9,135.25 99.2,150.55 114.875,150.55 ; 110.25,61.875 110.25,54.375 124,40.625 193.7,40.625 204.45,51.375 204.45,59.225 ; 134.714,13.175 146.414,24.875 201.025,24.875 232.1,55.95 232.1,58.725 ; 136.7,129.175 136.7,140.15 145.125,148.575 154,148.575 168.75,163.325 ; 177.725,131.225 177.725,134.975 191.25,148.5 207.75,148.5 231.725,172.475 263.15,172.475 268.475,177.8 282.75,177.8 ; 231.35,130.375 231.35,138.825 240.675,148.15 285.275,148.15 306.175,169.05 327.225,169.05 ; 272.175,12.95 272.25,12.95 314.925,55.625 363.775,55.625 363.7,55.7 363.7,106.55 388.1,130.95 ; 295.539,13 295.539,10.536 302.025,4.05 376.95,4.05 388.5,15.6 388.5,21.85 ; 306.461,13 365.95,13 374.15,21.2 374.15,73.9 384.325,84.075

## Text inside footprints (layer, text, board x,y; h text height)
DA1: Top Overlay "IS" at 325.588,231.445 h0.8 r270; Top Overlay "FB" at 323.238,231.445 h0.8 r270; Top Overlay "CAT_4" at 340.951,231.445 h0.8 r270; Top Overlay "AND_4" at 338.601,231.445 h0.8 r270; Top Overlay "CAT_1" at 348.628,231.445 h0.8 r270; Top Overlay "AND_1" at 346.278,231.445 h0.8 r270; Top Overlay "CAT_2" at 353.522,231.445 h0.8 r270; Top Overlay "AND_2" at 351.172,231.445 h0.8 r270; Top Overlay "AND_3" at 333.226,231.445 h0.8 r270; Top Overlay "CAT_3" at 335.916,231.445 h0.8 r270; Top Overlay "GND" at 328.254,231.445 h0.8 r270; Top Overlay "CAT" at 358.593,231.445 h0.8 r270; Top Overlay "AND" at 356.243,231.445 h0.8 r270; Top Overlay "VCC" at 320.443,231.445 h0.8 r270; Top Overlay "GND" at 330.693,231.445 h0.8 r270; Top Overlay "GND" at 343.593,231.445 h0.8 r270